# Altium PCB RADC-B00-V00.PcbDoc (part 3 of 3)
Units mil, origin at the board's own origin, x right, y up, seen from the top; angles counter-clockwise.
Board outline 3937.01 x 3937.01 mil, 4 copper layers (Top Layer, Mid-Layer 1, Mid-Layer 2, Bottom Layer); 167 components, 147 nets, 593 pads, 295 vias.
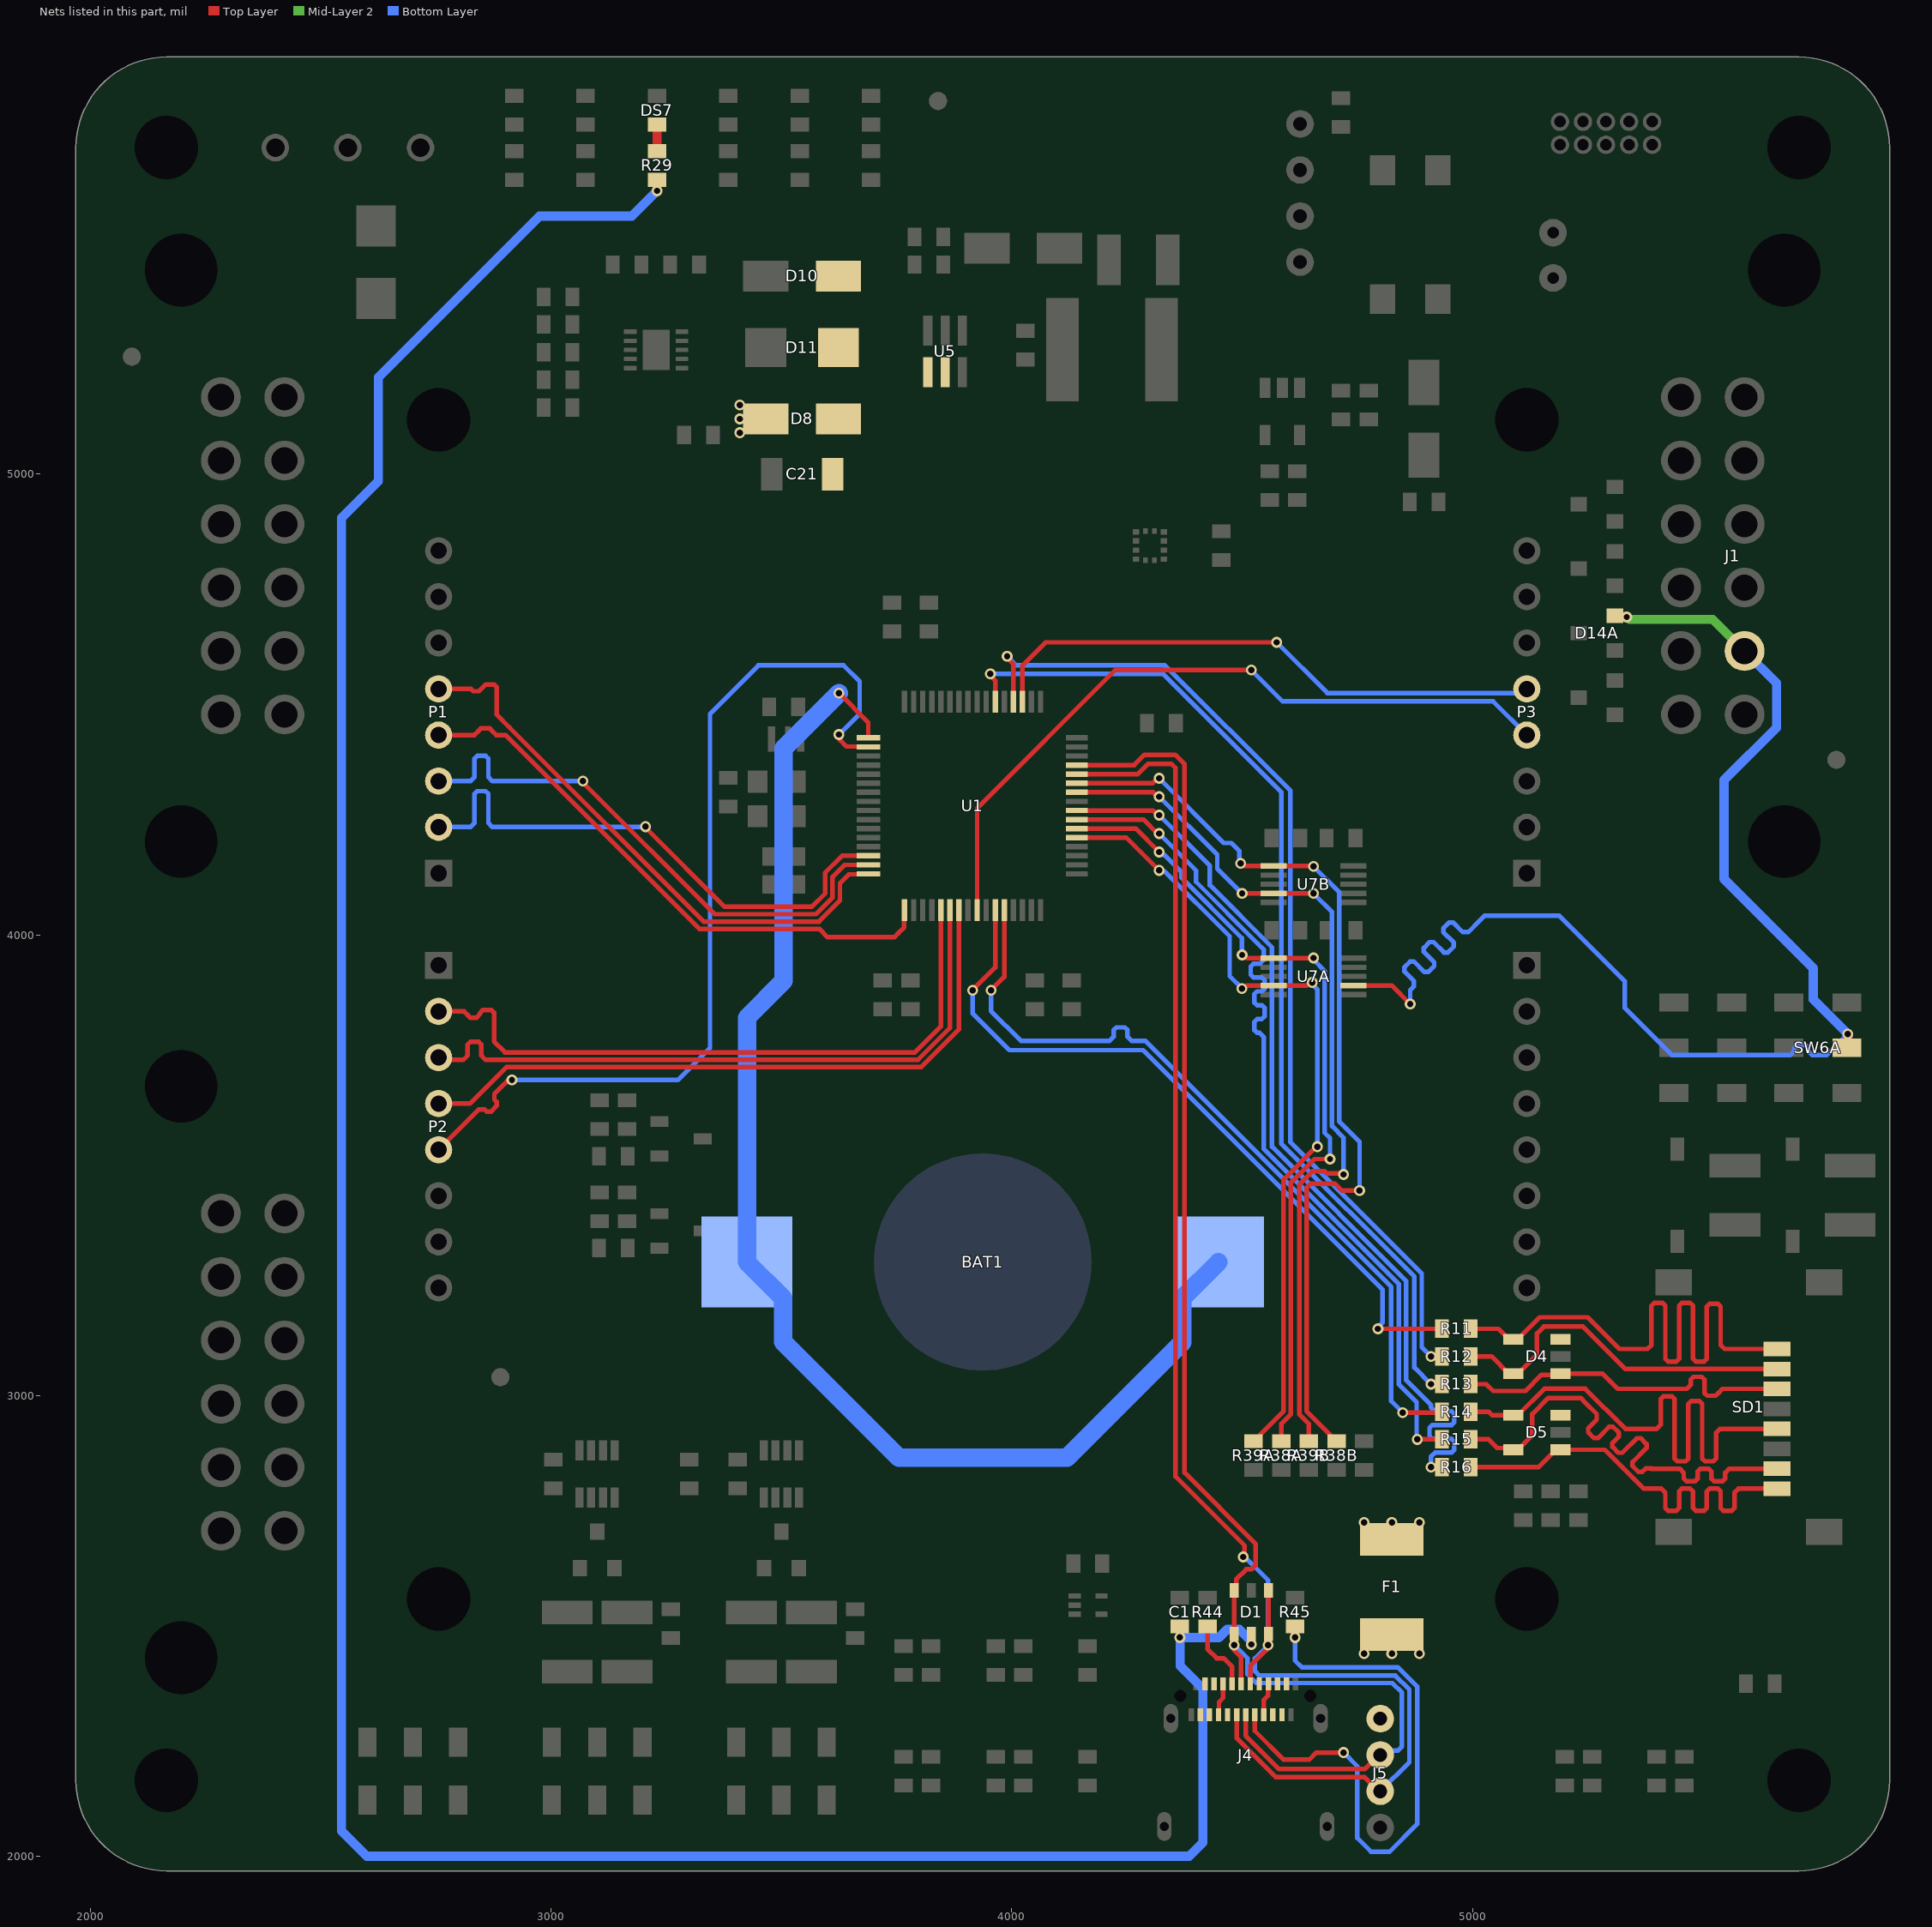
[diagram p5: the nets of this part, all layers, seen from the top]

## Via types
v1: diameter 23.62, hole 13.78, Top Layer to Bottom Layer, tented both sides, 295 vias

## Nets (pads, with @x,y where several pads share a name; then routed paths per layer and width w, separated by ;. In a path a pad name is that pad's centre, name@x,y a point inside that pad or via, vN(x,y) a via of type N, cw(c..) or ccw(c..) an arc to the next point about the centre after c; other vN are vias at no path point) (continued)
"RS485B Z": D14A.2 J1.8 SW6A.5 U7A.7 | length 2972.4
  Top Layer w10: U7A.7@4741.61,3890.32 4824.69,3890.32 v1(4865,3850)
  Top Layer w20: D14A.2@5309.37,4692.4 5311.08,4690.69 5334.31,4690.69 v1(5335,4690) ; SW6A.5@5812.99,3755 5815,3757.01 v1(5815,3785)
  Mid-Layer 2 w20: v1(5335,4690) 5335.98,4690 5340.98,4685 5521.69,4685 J1.8@5590.55,4616.14
  Bottom Layer w10: v1(4865,3850) 4865,3880.25 4869.1,3884.35 4872.63,3887.89 4872.63,3900.31 4852.03,3920.92 4852.03,3929.4 4864.76,3942.13 4873.24,3942.13 4895.82,3919.56 4904.3,3919.56 4917.03,3932.29 4917.03,3940.77 4894.46,3963.34 4894.46,3971.83 4907.18,3984.56 4915.67,3984.56 4938.24,3961.98 4946.73,3961.98 4959.46,3974.71 4959.46,3983.2 4936.88,4005.77 4936.88,4014.26 4949.61,4026.98 4958.1,4026.98 4978.7,4006.38 4991.13,4006.38 5014.87,4030.13 5026.75,4042 5188.25,4042 5330.56,3899.7 5330.56,3841.81 5433.37,3739 5685,3739 5690,3739 5698.79,3747.79 5698.79,3754.87 5704.79,3760.87 5722.79,3760.87 5728.79,3754.87 5728.79,3747.79 5737.57,3739 5769,3739 v1(5815,3785)
  Bottom Layer w20: J1.8@5590.55,4616.14 5660,4546.69 5660,4450 5546.06,4336.06 5546.06,4121.51 5740,3927.57 5740,3860 v1(5815,3785)
RTC: BAT1.1 U1.1 | length 2929.3
  Top Layer w10: v1(3625,4525) 3688.62,4461.38 U1.1@3688.62,4427.64
  Bottom Layer w40: v1(3625,4525) 3505,4405 3505,3900 3425.2,3820.2 BAT1.1@3425.2,3290 3503.62,3211.57 3503.62,3116.38 3755,2865 4120,2865 4370.39,3115.39 4370.39,3211.57 BAT1.1@4448.82,3290
"SD CLK": R14.1 U1.28 | length 1757.9
  Top Layer w10: v1(3955,3880) 3983.9,3908.9 U1.28@3983.9,4053.62 ; v1(4848.68,2963.24) 4932.01,2963.24 R14.1@4933.76,2965
  Bottom Layer w10: v1(3955,3880) 3955,3835 4020,3770 4165,3770 4212.43,3770 4221.21,3778.79 4221.21,3793.35 4227.21,3799.35 4245.21,3799.35 4251.21,3793.35 4251.21,3778.79 4260,3770 4290,3770 4295,3765 4823.81,3236.19 4823.81,2988.11 v1(4848.68,2963.24)
"SD CLK P": D5.4 R14.2 SD1.5 | length 1233.5
  Top Layer w10: R14.2@4996.24,2965 5035,2965 5042.6,2957.4 5098.66,2957.4 5156.26,3015 5245,3015 5332.05,2927.95 5395,2927.95 5400,2927.95 5408.79,2936.74 5408.79,2992.57 5414.79,2998.57 5432.79,2998.57 5438.79,2992.57 5438.79,2863.34 5444.79,2857.34 5462.79,2857.34 5468.79,2863.34 5468.79,2982.16 5474.79,2988.16 5492.79,2988.16 5498.79,2982.16 5498.79,2863.34 5504.79,2857.34 5522.79,2857.34 5528.79,2863.34 5528.79,2919.17 5537.57,2927.95 5565,2927.95 SD1.5@5661.02,2927.95
"SD CMD": R13.1 U1.54 | length 2245.3
  Top Layer w10: v1(3953.61,4566.36) 3953.61,4562.67 3964.21,4552.07 U1.54@3964.21,4506.38 ; v1(4910,3025) R13.1@4933.76,3025
  Bottom Layer w10: v1(3953.61,4566.36) 4328.64,4566.36 4585,4310 4585,3547.37 4874,3258.37 4874,3061 v1(4910,3025)
"SD CMD P": D4.1 R13.2 SD1.3 | length 757.8
  Top Layer w10: R13.2@4996.24,3025 5030,3025 5045,3010 5115,3010 5149.98,3044.98 5178.72,3044.98 5181.34,3047.6 5282.4,3047.6 5315.43,3014.57 5460,3014.57 5465,3014.57 5473.79,3023.35 5473.79,3034.71 5479.79,3040.71 5497.79,3040.71 5503.79,3034.71 5503.79,3005.78 5509.79,2999.78 5527.79,2999.78 5533.79,3005.78 5542.57,3014.57 5550,3014.57 SD1.3@5661.02,3014.57
"SD DAT0": R15.1 U1.39 | length 1891.8
  Top Layer w10: U1.39@4141.38,4250.47 4285.84,4250.47 4316.31,4220 v1(4320,4220) ; v1(4880,2905) R15.1@4933.76,2905
  Bottom Layer w10: v1(4320,4220) 4400,4140 4400,4115.25 4534.1,3981.15 4546.81,3968.44 4546.81,3946.15 4538.02,3937.36 4524.79,3937.36 4518.79,3931.36 4518.79,3913.36 4524.79,3907.36 4543,3907.36 4549,3901.36 4549,3883.36 4543,3877.36 4532.55,3877.36 4526.55,3871.36 4526.55,3853.36 4532.55,3847.36 4543,3847.36 4549,3841.36 4549,3823.36 4543,3817.36 4532.81,3817.36 4526.81,3811.36 4526.81,3793.36 4532.81,3787.36 4538.02,3787.36 4546.81,3778.58 4546.81,3540.25 4546.81,3535.82 4840,3242.63 4840,3025 4878.97,2986.03 4878.97,2906.03 v1(4880,2905)
"SD DAT0 P": D5.5 R15.2 SD1.7 | length 1100.2
  Top Layer w10: R15.2@4996.24,2905 5035,2905 5053.7,2886.3 5094.96,2886.3 5098.66,2882.6 5130,2913.94 5130,2960 5165,2995 5235,2995 5245,2985 5269.75,2960.25 5269.75,2947.82 5251.05,2929.13 5251.05,2920.64 5263.78,2907.92 5272.27,2907.92 5296.62,2932.27 5305.1,2932.27 5317.83,2919.54 5317.83,2911.06 5303.94,2897.17 5303.94,2888.68 5316.67,2875.95 5325.16,2875.95 5356.91,2907.71 5365.4,2907.71 5378.13,2894.98 5378.13,2886.5 5347.45,2855.82 5347.45,2847.34 5360.18,2834.61 5368.67,2834.61 5375.82,2841.76 5388.24,2841.76 5388.66,2841.34 5412.61,2841.34 5415,2841.34 5450,2841.34 5458.79,2832.55 5458.79,2820.03 5464.79,2814.03 5482.79,2814.03 5488.79,2820.03 5488.79,2835.34 5494.79,2841.34 5512.79,2841.34 5518.79,2835.34 5518.79,2820.03 5524.79,2814.03 5542.79,2814.03 5548.79,2820.03 5548.79,2832.55 5557.57,2841.34 5580,2841.34 SD1.7@5661.02,2841.34
"SD DAT1": R16.1 U1.40 | length 2042.7
  Top Layer w10: U1.40@4141.38,4270.16 4141.46,4270.08 4306.24,4270.08 4316.31,4260 v1(4320,4260) ; v1(4910,2845) R16.1@4933.76,2845
  Bottom Layer w10: v1(4320,4260) 4430,4150 4430,4107.88 4565,3972.88 4565,3540.25 4856,3249.25 4856,3034 4910,2980 4910,2975 4918.79,2966.21 4954.42,2966.21 4960.42,2960.21 4960.42,2942.21 4954.42,2936.21 4912.81,2936.21 4906.81,2930.21 4906.81,2912.21 4912.81,2906.21 4954.42,2906.21 4960.42,2900.21 4960.42,2882.21 4954.42,2876.21 4918.79,2876.21 4910,2867.43 4910,2846.43 v1(4910,2845)
"SD DAT1 P": D5.1 R16.2 SD1.8 | length 956.9
  Top Layer w10: R16.2@4996.24,2845 5143.74,2845 5181.34,2882.6 D5.1@5191.18,2882.6 5287.4,2882.6 5371.97,2798.03 5375,2798.03 5410,2798.03 5418.79,2789.24 5418.79,2756.21 5424.79,2750.21 5442.79,2750.21 5448.79,2756.21 5448.79,2792.03 5454.79,2798.03 5472.79,2798.03 5478.79,2792.03 5478.79,2756.21 5484.79,2750.21 5502.79,2750.21 5508.79,2756.21 5508.79,2792.03 5514.79,2798.03 5532.79,2798.03 5538.79,2792.03 5538.79,2756.21 5544.79,2750.21 5562.79,2750.21 5568.79,2756.21 5568.79,2789.24 5577.57,2798.03 5585,2798.03 SD1.8@5661.02,2798.03
"SD DAT2": R11.1 U1.27 | length 1610.4
  Top Layer w10: v1(3915,3880) 3964.21,3929.21 U1.27@3964.21,4053.62 ; v1(4795,3145) R11.1@4933.76,3145
  Bottom Layer w10: v1(3915,3880) 3915,3830 3995,3750 4285,3750 4805,3230 4805,3158.69 4795,3148.69 v1(4795,3145)
"SD DAT2 P": D4.4 R11.2 SD1.1 | length 1382.2
  Top Layer w10: R11.2@4996.24,3145 5056.38,3145 5078.98,3122.4 D4.4@5088.82,3122.4 5098.66,3122.4 5146.26,3170 5250,3170 5318.82,3101.18 5375,3101.18 5380,3101.18 5388.79,3109.97 5388.79,3195.18 5394.79,3201.18 5412.79,3201.18 5418.79,3195.18 5418.79,3079.87 5424.79,3073.87 5442.79,3073.87 5448.79,3079.87 5448.79,3195.18 5454.79,3201.18 5472.79,3201.18 5478.79,3195.18 5478.79,3079.87 5484.79,3073.87 5502.79,3073.87 5508.79,3079.87 5508.79,3193.21 5514.79,3199.21 5532.79,3199.21 5538.79,3193.21 5538.79,3109.97 5547.57,3101.18 5565,3101.18 SD1.1@5661.02,3101.18
"SD DAT3": R12.1 U1.52 | length 2194.3
  Top Layer w10: v1(3990,4605) 3990,4601.31 4003.58,4587.73 U1.52@4003.58,4506.38
  Bottom Layer w10: v1(3990,4605) 4010,4585 4332.63,4585 4605,4312.63 4605,3550 4890,3265 4890,3105 v1(4910,3085)
"SD DAT3 P": D4.5 R12.2 SD1.2 | length 787.8
  Top Layer w10: R12.2@4996.24,3085 5041.57,3085 5078.98,3047.6 5098.66,3047.6 5140,3088.94 5140,3135 5155,3150 5240,3150 5332.13,3057.87 SD1.2@5661.02,3057.87
"SD SPARE A": D4.3
"SD SPARE B": D5.3
"SPI1 MISO": P2.3 U1.22 | length 1456.4
  Top Layer w10: P2.3@2755.91,3733.86 2760.76,3729 2805,3729 2810,3729 2818.79,3737.79 2818.79,3761.87 2824.79,3767.87 2842.79,3767.87 2848.79,3761.87 2848.79,3737.79 2857.57,3729 3065,3729 3796.63,3729 3865.79,3798.16 U1.22@3865.79,4053.62
"SPI1 MOSI": P2.4 U1.23 | length 1454.8
  Top Layer w10: P2.4@2755.91,3633.86 2823.86,3633.86 2903,3713 3803.25,3713 3885.47,3795.22 U1.23@3885.47,4053.62
"SPI1 SCK": P2.2 U1.21 | length 1454.8
  Top Layer w10: P2.2@2755.91,3833.86 2811.14,3833.86 2820,3825 2825,3820 2837.43,3820 2846.21,3828.79 2846.21,3831.11 2852.21,3837.11 2870.21,3837.11 2876.21,3831.11 2876.21,3768.79 2900,3745 3030,3745 3790,3745 3846.1,3801.1 U1.21@3846.1,4053.62
"SPI CS": P2.5 U1.2 | length 2029.3
  Top Layer w10: P2.5@2755.91,3533.86 2818.52,3596.48 2843.27,3621.23 2855.7,3621.23 2860.66,3616.27 2869.14,3616.27 2881.87,3629 2881.87,3637.48 2876.91,3642.44 2876.91,3654.86 2893.52,3671.48 2904.44,3682.39 2912.39,3682.39 v1(2915,3685) ; v1(3625,4435) 3627.61,4432.39 3627.61,4422.39 3641.14,4408.86 3687.72,4408.86 U1.2@3688.62,4407.95
  Bottom Layer w10: v1(2915,3685) 3275,3685 3345,3755 3345,4480 3450,4585 3635,4585 3670,4550 3670,4480 v1(3625,4435)
"USART1 RX": R38B.1 U1.43 U7B.1 | length 2051.5
  Top Layer w10: U1.43@4141.38,4329.21 4305.53,4329.21 4316.31,4340 v1(4320,4340) ; v1(4496.81,4155.31) 4498.37,4155.31 4504.32,4149.37 4647.49,4149.37 v1@4648.17,4148.69 ; R38B.1@4705,2901.24 4640,2966.24 4640,3451.21 4648.79,3460 4702.08,3460 4717.08,3445 v1(4755,3445)
  Bottom Layer w10: v1(4320,4340) 4460.44,4199.56 4476.75,4199.56 4494.2,4182.11 4494.2,4157.92 v1(4496.81,4155.31) ; v1(4655,4148.69) 4711.19,4092.5 4711.19,3594.81 4755,3551 v1(4755,3445)
"USART1 TX": R39B.1 U1.42 U7B.4 | length 1925.4
  Top Layer w10: U1.42@4141.38,4309.53 4306.79,4309.53 4316.31,4300 v1(4320,4300) ; v1(4500,4090) 4500.16,4090.16 4568.23,4090.16 U7B.4@4568.39,4090.32 4568.7,4090 v1@4645,4090 ; R39B.1@4645,2901.24 4645,2938.61 4624,2959.61 4624,3457.84 4652.97,3486.81 4679.5,3486.81 4683.71,3482.61 4717.39,3482.61 v1(4720,3480)
  Bottom Layer w10: v1(4320,4300) 4446,4174 4446,4144 v1(4500,4090) ; v1(4655,4090) 4695.19,4049.81 4695.19,3584.81 4720,3560 v1(4720,3480)
"USART2 CTS": P1.2 U1.14 | length 1217.1
  Top Layer w10: v1(3205,4235) 3205,4232.92 3376.92,4061 3566,4061 3595,4090 3595,4135 3631.73,4171.73 U1.14@3688.62,4171.73
  Bottom Layer w10: P1.2@2755.91,4233.86 2756.33,4234.29 2820,4234.29 2825,4234.29 2833.79,4243.07 2833.79,4306.16 2839.79,4312.16 2857.79,4312.16 2863.79,4306.16 2863.79,4243.07 2872.57,4234.29 2995,4234.29 3204.29,4234.29 v1(3205,4235)
"USART2 RTS": P1.3 U1.15 | length 1217
  Top Layer w10: v1(3068.86,4333.86) 3068.86,4331.14 3355,4045 3575,4045 3611,4081 3611,4126 3637.05,4152.05 U1.15@3688.62,4152.05
  Bottom Layer w10: P1.3@2755.91,4333.86 2820,4333.86 2825,4333.86 2833.79,4342.65 2833.79,4382.67 2839.79,4388.67 2857.79,4388.67 2863.79,4382.67 2863.79,4342.65 2872.57,4333.86 2940,4333.86 v1(3068.86,4333.86)
"USART2 RX": P1.4 U1.17 | length 1251.1
  Top Layer w10: P1.4@2755.91,4433.86 2828.52,4433.86 2833.52,4433.86 2842.31,4442.65 2848.31,4448.65 2866.31,4448.65 2872.31,4442.65 2881.1,4433.86 2901.14,4433.86 2925,4410 3322,4013 3582,4013 3600,3995 3745.21,3995 3754,4003.79 3754,4004 3766.46,4016.46 3766.46,4052.72 U1.17@3767.36,4053.62
"USART2 TX": P1.5 U1.16 | length 1254.1
  Top Layer w10: P1.5@2755.91,4533.86 2826.14,4533.86 2831.14,4528.86 2843.57,4528.86 2858.36,4543.64 2876.36,4543.64 2882.36,4537.64 2882.36,4477.64 2910,4450 3331,4029 3581.63,4029 3627,4074.37 3627,4112 3646.46,4131.46 3687.72,4131.46 U1.16@3688.62,4132.36
"USART3 RX": P3.4 U1.25 | length 1597.3
  Top Layer w10: U1.25@3924.84,4053.62 3924.92,4053.7 3924.92,4274.92 4225,4575 v1(4520,4575)
  Bottom Layer w10: v1(4520,4575) 4588,4507 5044.97,4507 P3.4@5118.11,4433.86
"USART3 TX": P3.5 U1.51 | length 1243.2
  Top Layer w10: U1.51@4023.27,4506.38 4023.27,4584.58 4073.69,4635 v1(4575,4635)
  Bottom Layer w10: v1(4575,4635) 4685,4525 5109.25,4525 P3.5@5118.11,4533.86
"USART6 RX": R38A.1 U1.38 U7A.1 | length 1776.2
  Top Layer w10: U1.38@4141.38,4230.79 4269.21,4230.79 v1(4320,4180) ; v1(4500,3956.5) 4503.69,3956.5 4510.81,3949.37 U7A.1@4568.39,3949.37 4568.7,3949.68 4644.69,3949.68 v1@4645,3950 ; R38A.1@4585,2901.24 4585,2938.61 4606,2959.61 4606,3462.47 4657.15,3513.62 v1(4690.95,3513.62)
  Bottom Layer w10: v1(4320,4180) 4323.69,4180 4330.5,4173.19 4331.81,4173.19 4368,4137 4368,4124.63 4499.32,3993.31 4499.32,3957.18 v1(4500,3956.5) ; v1(4655,3950) 4655,3946.32 4679.19,3922.13 4679.19,3570.81 4690.95,3559.05 v1(4690.95,3513.62)
"USART6 TX": R39A.1 U1.37 U7A.4 | length 1753.1
  Top Layer w10: U1.37@4141.38,4211.1 4248.9,4211.1 v1(4320,4140) ; v1(4499.74,3883.71) 4503.43,3883.71 4510.03,3890.32 U7A.4@4568.39,3890.32 4640.31,3890.32 v1@4645,3895 ; R39A.1@4525,2901.24 4590,2966.24 4590,3469.1 4661.34,3540.43 v1(4663.19,3540.43)
  Bottom Layer w10: v1(4320,4140) 4322.61,4137.39 4332.61,4137.39 4472.99,3997.01 4472.99,3910.46 v1(4499.74,3883.71) ; v1(4652.19,3896.81) 4652.19,3893.12 4663.19,3882.12 v1(4663.19,3540.43)
"USB CC1": J4.A5 R44.2 | length 155.2
  Top Layer w10: R44.2@4425,2498.76 4425,2450 4445,2430 4460,2430 4478.35,2411.65 J4.A5@4478.35,2374.45
"USB CC2": J4.B5 R45.2 | length 1285.6
  Top Layer w10: J4.B5@4527.56,2307.52 4527.56,2272.44 4590,2210 4645.71,2210 4661.01,2225.29 v1(4720.4,2225.29)
  Top Layer w20: v1(4615,2475) R45.2@4615,2498.76
  Bottom Layer w10: v1(4615,2475) 4615,2425 4630,2410 4838.54,2410 4880,2368.54 4880,2070 4820,2010 4780,2010 4750,2040 4750,2195.7 v1(4720.4,2225.29)
"USB D_N": D1.1 D1.6 J4.A7 J4.B7 J5.3 U1.44 | length 3504.2
  Top Layer w10: U1.44@4141.38,4348.9 4273.9,4348.9 4296.31,4371.31 4346.53,4371.31 4355.31,4362.53 4355.31,2824.69 4505.22,2674.78 4505.22,2662.36 4504.89,2662.03 4504.89,2652.4 v1(4502.29,2649.8) ; J4.B7@4488.19,2307.52 4488.19,2256.81 4573.21,2171.79 4766.21,2171.79 4796.74,2141.26 J5.3@4800,2141.26 ; J4.A7@4517.72,2374.45 4518.03,2374.76 4518.03,2413.03 4552.56,2447.56 ; v1@4552.56,2458.8 4552.56,2477.91 D1.6@4557.4,2482.76 D1.1@4557.4,2577.24
  Bottom Layer w10: v1(4502.29,2649.8) 4505.77,2649.8 4556.4,2599.17 v1(4556.4,2458.8) 4556.4,2458.48 4527.68,2429.76 4527.68,2401.87 4537.28,2392.28 4832.72,2392.28 4863,2362 4863,2204.26 J5.3@4800,2141.26
"USB D_P": D1.3 D1.4 J4.A6 J4.B6 J5.2 U1.45 | length 3311.4
  Top Layer w10: U1.45@4141.38,4368.58 4265.74,4368.58 4288.16,4391 4354.68,4391 4375,4370.68 4375,2832.84 4529.1,2678.74 4529.1,2631.77 4520.31,2622.98 4509.13,2622.98 4487.44,2601.3 4487.44,2582.09 D1.3@4482.6,2577.24 D1.4@4482.6,2482.76 v1@4482.6,2458.8 ; v1@4482.6,2447.4 4498.03,2431.97 J4.A6@4498.03,2374.45 ; J4.B6@4507.87,2307.52 4507.87,2262.13 4580.53,2189.47 4766.21,2189.47 4796.74,2220 J5.2@4800,2220
  Bottom Layer w10: v1(4482.77,2458.8) 4511.68,2429.9 4511.68,2395.25 4530.65,2376.28 4826.1,2376.28 4847,2355.37 4847,2238.36 4838.21,2229.57 4809.57,2229.57 J5.2@4800,2220
"USB RX1_N": J4.B10
"USB RX1_P": J4.B11
"USB RX2_N": J4.A10
"USB RX2_P": J4.A11
"USB SBU1": J4.A8
"USB SBU2": J4.B8
"USB TX1_N": J4.A3
"USB TX1_P": J4.A2
"USB TX2_N": J4.B3
"USB TX2_P": J4.B2
VCC: C21.2 D8.K D10.K D11.A U5.4 U5.5
VUSB: C1.2 D1.5 F1.1 J4.A4 J4.A9 J4.B4 J4.B9 J5.1 R29.2 | length 6700
  Top Layer w10: v1(3230,5615) R29.2@3230,5638.76 ; J4.B9@4448.82,2307.52 4449.72,2308.43 4449.72,2334.72 4458.66,2343.66 J4.A4@4458.66,2374.45 ; v1(4520,2460) D1.5@4520,2482.76 ; J4.B4@4547.24,2307.52 4547.24,2339.77 4556.18,2348.71 4556.18,2373.54 J4.A9@4557.09,2374.45
  Bottom Layer w20: v1(3230,5615) 3175,5560 2975,5560 2625,5210 2625,4985 2545,4905 2545,2055 2600,2000 4385,2000 4415,2030 4415,2364.02 4365.69,2413.33 4365.69,2474.31 v1(4365,2475) 4450,2475 4467.57,2492.57 4493.99,2492.57 4519.31,2467.26 4519.31,2460.69 v1(4520,2460)
  other v1: 4765,2440 4825,2440 4885,2440
"VUSB LED": DS7.1 R29.1 | length 57.5
  Top Layer w20: R29.1@3230,5701.24 DS7.1@3230,5758.76
VUSBF: D8.A F1.2
  other v1: 4765,2725 4825,2725 4885,2725 3410,5090 3410,5120 3410,5150
pads on no net: FID1.1 FID2.1 FID3.1 FID4.1 J1.NC J2.NC J3.NC J4. M1.1 M2.1 M3.1 M4.1 M5.1 M6.1 M7.1 M8.1 SW6A.1 SW6A.4 SW6B.1 SW6B.4 U9.1 U10.4 U10.5 U10.6 U10.11

## Polygon pours and split planes (outlines as drawn)
no net on Top Overlay "NONET_L01_P-001" (solid): 2500,2030 2455,2075 2455,1985
no net on Top Overlay "NONET_L01_P-001" (solid): 5350,3980 5385,4015 5350,4050
no net on Top Overlay "NONET_L01_P-001" (solid): 5275,3905 5350,3980 5200,3980
no net on Top Overlay "NONET_L01_P-001" (solid): 2657.72,5775 2775.6,5775 2775.6,5708.66 2761.55,5708.66 2757.46,5725.41 2745.91,5742.48 2731.98,5750.04 2716.86,5752.56 2691.53,5747.38 2682.36,5738.22 2676.06,5726.39 2671,5708.66 2658.34,5708.66
no net on Top Overlay "NONET_L01_P-001" (solid): 2500.23,5775 2618.11,5775 2618.11,5708.66 2604.06,5708.66 2599.97,5725.41 2588.42,5742.48 2574.49,5750.04 2559.37,5752.56 2534.04,5747.38 2524.87,5738.22 2518.57,5726.39 2513.51,5708.66 2500.85,5708.66
no net on Top Overlay "NONET_L01_P-001" (solid): 2342.76,5775 2460.64,5775 2460.64,5708.66 2446.59,5708.66 2442.5,5725.41 2430.95,5742.48 2417.02,5750.04 2401.9,5752.56 2376.57,5747.38 2367.4,5738.22 2361.1,5726.39 2356.04,5708.66 2343.38,5708.66
GND on Top Layer "NONET_L01_P-001" (solid, remove dead copper, pour order 26): 5708.66,2007.87 5866.14,2165.35 5866.14,5708.66 5708.66,5866.14 2165.35,5866.14 2007.87,5708.66 2007.87,2165.35 2165.35,2007.87
12V on Top Layer "NONET_L01_P-001" (solid, pour order 23): 5385,5100 5660,5100 5660,5235 5385,5235
GND on Top Layer "NONET_L01_P-001" (solid, pour order 21): 3703.66,3290 ccw(c3937.01,3290) 3937.01,3056.65 ccw(c3937.01,3290) 4170.36,3290 ccw(c3937.01,3290) 3937.01,3523.35 ccw(c3937.01,3290)
12V on Top Layer "NONET_L01_P-001" (solid, pour order 17): 2340,5775 2460,5775 2460,5690 2510,5640 2670,5640 2700,5610 2700,5470 2695,5465 2345,5465 2260,5550 2260,5585 2340,5665
12V on Top Layer "NONET_L01_P-001" (solid, pour order 16): 3190,5320 3190,5300 3120,5300 3080,5340 3080,5410 3020,5470 2565,5470 2565,5610 3035,5610 3155,5490 3155,5395 3145,5385 3145,5325 3150,5320
GND on Top Layer "NONET_L01_P-001" (solid, pour order 15): 3405,5325 3515,5325 3515,5225 3405,5225
GND on Top Layer "NONET_L01_P-001" (solid, pour order 14): 3510,5045 3510,4955 3425,4955 3425,5045
3V3 on Top Layer "NONET_L01_P-001" (solid, pour order 13): 4305,5530 4285,5510 4285,5150 4395,5150 4395,5530
GND on Top Layer "NONET_L01_P-001" (solid, pour order 12): 4180,5525 4270,5525 4270,5405 4180,5405
"PWR SW 3V3" on Top Layer "NONET_L01_P-001" (solid, pour order 11): 4045,5550 4165,5550 4165,5170 4150,5155 4065,5155 4065,5395 4045,5415
GND on Top Layer "NONET_L01_P-001" (solid, pour order 10): 4005,5550 4005,5430 3945,5430 3870,5355 3870,5275 3840,5275 3840,5420 3830,5430 3830,5480 3875,5480 3890,5495 3890,5550
"PWR SW 3V3" on Top Layer "NONET_L01_P-001" (solid, pour order 9): 3880,5260 3985,5260 4000,5275 4070,5275 4070,5385 4150,5385 4150,5155 3880,5155
12VP on Top Layer "NONET_L01_P-001" (solid, pour order 8): 3520,5480 3520,5380 3445,5380 3365,5300 3265,5300 3265,5320 3305,5320 3305,5385 3295,5395 3295,5480
GND on Top Layer "NONET_L01_P-001" (solid, pour order 7): 3160,5165 3295,5165 3295,5375 3275,5395 3275,5505 3180,5505 3180,5395 3160,5375
VCC on Top Layer "NONET_L01_P-001" (solid, pour order 6): 3570,5470 3565,5465 3565,4955 3690,4955 3695,4960 3695,5095 3755,5155 3870,5155 3870,5260 3755,5260 3695,5320 3695,5470
VUSB on Top Layer "NONET_L01_P-001" (solid, pour order 5): 4310,1985 4910,1985 4910,2530 4310,2530
12V on Top Layer "NONET_L01_P-001" (solid, pour order 2): 2520,5585 2185,5585 2185,2610 2520,2610
GND on Bottom Layer "NONET_L01_P-001" (solid, remove dead copper, pour order 25): 5708.66,2007.87 5866.14,2165.35 5866.14,5708.66 5708.66,5866.14 2165.35,5866.14 2007.87,5708.66 2007.87,2165.35 2165.35,2007.87
12V on Bottom Layer "NONET_L01_P-001" (solid, pour order 24): 5385,5100 5660,5100 5660,5235 5385,5235
VUSBF on Bottom Layer "NONET_L01_P-001" (solid, pour order 20): 4910,2755 4910,2675 4335,2675 4335,2380 4300,2345 4300,2025 4220,2025 4220,2400 4255,2435 4255,2755
VUSBF on Bottom Layer "NONET_L01_P-001" (solid, pour order 18): 3450,5180 3450,5060 3410,5060 3250,4900 2700,4900 2645,4845 2645,2115 2665,2095 4300,2095 4300,2020 2605,2020 2570,2055 2570,4895 2675,5000 3225,5000 3370,5145 3370,5180
GND on Bottom Layer "NONET_L01_P-001" (solid, pour order 1): 2520,4990 2185,4990 2185,2610 2520,2610
3V3 on Mid-Layer 1 "NONET_L01_P-001" (solid, pour order 3): 5708.66,2007.87 5866.14,2165.35 5866.14,5708.66 5708.66,5866.14 2165.35,5866.14 2007.87,5708.66 2007.87,2165.35 2165.35,2007.87
no net on Bottom Overlay "NONET_L01_P-001" (solid): 4367.44,4175.59 3242.44,4175.59 3242.44,4375.59 4367.44,4375.59
no net on Bottom Overlay "NONET_L01_P-001" (solid): 2658.05,5774.81 2775.93,5774.81 2775.93,5708.47 2761.88,5708.47 2757.79,5725.22 2746.24,5742.3 2732.31,5749.86 2717.2,5752.38 2691.86,5747.2 2682.69,5738.03 2676.39,5726.2 2671.33,5708.47 2658.67,5708.47
no net on Bottom Overlay "NONET_L01_P-001" (solid): 2343.09,5774.81 2460.97,5774.81 2460.97,5708.47 2446.92,5708.47 2442.83,5725.22 2431.28,5742.3 2417.35,5749.86 2402.24,5752.38 2376.9,5747.2 2367.73,5738.03 2361.43,5726.2 2356.37,5708.47 2343.71,5708.47
no net on Bottom Overlay "NONET_L01_P-001" (solid): 2500.56,5774.81 2618.44,5774.81 2618.44,5708.47 2604.39,5708.47 2600.3,5725.22 2588.75,5742.3 2574.82,5749.86 2559.71,5752.38 2534.37,5747.2 2525.2,5738.03 2518.9,5726.2 2513.84,5708.47 2501.18,5708.47
no net on Bottom Overlay "NONET_L01_P-001" (hatched 45Degree grid 39.37 track 7.87): 5175,5271.41 cw(c5175,5471.85) 4974.57,5471.85 cw(c5175,5471.85) 5175,5672.28 cw(c5175,5471.85) 5375.43,5471.85 cw(c5175,5471.85)
GND on Mid-Layer 2 "NONET_L01_P-001" (solid, pour order 4): 5708.66,2007.87 5866.14,2165.35 5866.14,5708.66 5708.66,5866.14 2165.35,5866.14 2007.87,5708.66 2007.87,2165.35 2165.35,2007.87

## Other copper
Top Layer:
  pour cut-out: 4269.49,4874.53 4330.51,4874.53 4330.51,4815.47 4269.49,4815.47
Mid-Layer 1:
  pour cut-out: 4060,5400 4375,5400 4375,5140 4060,5140
Mid-Layer 2:
  pour cut-out: 4060,5400 4375,5400 4375,5140 4060,5140
Bottom Layer:
  pour cut-out: 3510,3380 3515,3375 3515,3115 3520,3115 3760,2875 4120,2875 4370,3125 4370,3620 4275,3715 3545,3715
  pour cut-out: 4060,5400 4375,5400 4375,5140 4060,5140

## Silkscreen, mask and mechanical layers (free items; w line width, h text height)
Top Overlay:
  lines w7.87: 3835,3185 3860,3185 3860,3310 ; 3882.36,3290.28 ccw(c3860,3335) 3882.36,3379.72 ; 3885,3185 3885,3210 ; 3885,3197.5 4285,3197.5 ; 3893.54,3267.92 ccw(c3860,3335) 3893.54,3402.08 ; 4276.46,3267.92 cw(c4310,3335) 4276.46,3402.08 ; 4285,3185 4285,3210 ; 4287.64,3290.28 cw(c4310,3335) 4287.64,3379.72 ; 4335,3185 4310,3185 4310,3310 ; 5371.05,2655.98 cw(c5332.5,2620) 5385.24,2620 ; 5382.5,2670 5332.5,2620 5417.5,2620 ; 5475,2620 5460,2635 ; 5475,2650 5460,2635 ; 5565,2635 5460,2635 ; 5775,2635 5880,2635 ; 5865,2620 5880,2635 ; 5865,2650 5880,2635 ; 3860,3310 3835,3335 3885,3335 3860,3310 ; 4310,3310 4285,3335 4335,3335 4310,3310
  lines w10: 2929.96,5314.96 2755.91,5314.96 ccw(c2755.91,5118.11) 2559.06,5118.11 2559.06,2559.06 ccw(c2755.91,2559.06) 2755.91,2362.2 4300,2362.2 ; 3770,5715 3760,5725 ; 3770,5735 3760,5725 ; 3905,5725 3760,5725 ; 4400,5314.96 5118.11,5314.96 cw(c5118.11,5118.11) 5314.96,5118.11 5314.96,5025.04 ; 4835,3060 4835,2905 4880,2860 ; 4945,2362.2 5118.11,2362.2 ccw(c5118.11,2559.06) 5314.96,2559.06 ; 5245,3640 5245,3600 5370,3600 ; 5327.5,3437.5 5372.5,3437.5 ; 5335,3870 5335,3910 5370,3910 ; 5355,3585 5370,3600 ; 5355,3615 5370,3600 ; 5355,3895 5370,3910 ; 5355,3925 5370,3910 ; 5357.5,3422.5 5372.5,3437.5 ; 5357.5,3452.5 5372.5,3437.5 ; 5485,3965 5500,3950 ; 5500,3980 5500,3950 ; 5515,3965 5500,3950 ; 5735,3965 5750,3950 ; 5750,3980 5750,3950 ; 5765,3965 5750,3950 ; 3075.55,5117.28 3380.51,5117.28 3380.51,5422.24 3075.55,5422.24 3075.55,5117.28 ; 3695.55,5118.58 3695.55,5423.54 4000.51,5423.54 4000.51,5118.58 3695.55,5118.58
  lines w19.68: 2342.52,5775 2342.52,5708.66 ccw(c2401.57,5708.66) 2460.63,5708.66 2460.63,5775 ; 2500,5775 2500,5708.66 ccw(c2559.06,5708.66) 2618.11,5708.66 2618.11,5775 ; 2657.48,5775 2657.48,5708.66 ccw(c2716.54,5708.66) 2775.59,5708.66 2775.59,5775
  text "RST" at 5027.5,5847.82 h150 r180
  text "12V" at 2470.47,5846.46 h74.8 r180
  text "GND" at 2627.95,5846.46 h74.8 r180
  text "3V3" at 2785.43,5846.46 h74.8 r180
  text "3V3" at 3345.38,5737.63 h80 r90
  text "12V" at 2880.38,5737.19 h80 r90
  text "USB" at 3190.38,5731.86 h80 r90
  text "FLAG" at 3500.38,5696.78 h80 r90
  text "12VP" at 3035.77,5696.45 h80 r90
  text "UVOV" at 3655.38,5678.99 h80 r90
  text "D14" at 5071,4956 h40
  text "D15" at 5071,4901 h40
  text "GND" at 2834.65,4803.48 h80
  text "GND" at 4902.99,4803.48 h80
  text "3V3" at 2834.65,4703.48 h80
  text "3V3" at 4902.99,4703.48 h80
  text "DET" at 2834.65,4603.48 h80
  text "BCKP" at 4876.5,4603.48 h80
  text "U1TX" at 2834.65,4503.48 h80
  text "U2TX" at 4880.9,4503.48 h80
  text "U1RX" at 2834.65,4403.48 h80
  text "U2RX" at 4879.75,4403.48 h80
  text "U1RTS" at 2834.65,4303.48 h80
  text "M1" at 4902.99,4303.48 h80
  text "U1CTS" at 2834.65,4203.48 h80
  text "M2" at 4902.99,4203.48 h80
  text "GND" at 2834.65,4103.48 h80
  text "GND" at 4902.99,4103.48 h80
  text "RS485" at 5350,3979.43 h150 r90
  text "A" at 5425,3975.63 h100
  text "B" at 5675,3975.63 h100
  text "GND" at 2834.65,3903.48 h80
  text "GND" at 4902.99,3903.48 h80
  text "SCK" at 2834.65,3803.48 h80
  text "M3" at 4902.99,3803.48 h80
  text "MISO" at 2834.65,3703.48 h80
  text "M4" at 4902.99,3703.48 h80
  text "FULL" at 5284.37,3635 h100 r90
  text "HALF" at 5374.37,3635 h100 r90
  text "MOSI" at 2834.65,3603.48 h80
  text "M5" at 4902.99,3603.48 h80
  text "CS" at 2834.65,3503.48 h80
  text "M6" at 4902.99,3503.48 h80
  text "SDA" at 2834.65,3403.48 h80
  text "M7" at 4902.99,3403.48 h80
  text "TERM" at 5329.37,3320 h100 r90
  text "MIN" at 4013.41,3310 h100
  text "SCL" at 2834.65,3303.48 h80
  text "M8" at 4902.99,3303.48 h80
  text "R40" at 5516,3271 h40
  text "50cm" at 3984.95,3220.83 h100
  text "GND" at 2834.65,3203.48 h80
  text "GND" at 4902.99,3203.48 h80
  text "SLIDE" at 5584.09,2611.34 h80
  text "SD CARD" at 5314.57,2465 h150
  text "DS11" at 5316,2411 h40
  text "DS12" at 5316,2351 h40
  text "MCU" at 5720,2344.62 h80
  text "OFF" at 2544.52,2303.66 h80
  text "ON" at 2755.93,2303.66 h80
  text "OFF" at 2944.52,2303.66 h80
  text "ON" at 3155.93,2303.66 h80
  text "OFF" at 3344.52,2303.66 h80
  text "ON" at 3555.93,2303.66 h80
  text "CAN2" at 3710,2279.62 h80
  text "CAN1" at 3910,2279.62 h80
  text "485A" at 5145,2279.62 h80
  text "485B" at 5345,2279.62 h80
  text "VUSB" at 4940,2263.36 h80
  text "D+" at 4940,2184.62 h80
  text "D-" at 4940,2105.88 h80
  text "FAULT" at 4270.38,2087.73 h80 r90
  text "GND" at 4940,2027.14 h80
  text "RX" at 3795.38,2025 h80 r90
  text "TX" at 3855.38,2025 h80 r90
  text "RX" at 3995.38,2025 h80 r90
  text "TX" at 4055.38,2025 h80 r90
  text "RX" at 5230.38,2025 h80 r90
  text "TX" at 5290.38,2025 h80 r90
  text "RX" at 5430.38,2025 h80 r90
  text "TX" at 5490.38,2025 h80 r90
  text "USB-C" at 4355.37,1999.62 h100
  text "CAN" at 2455,1985 h150 r90
  text "JOIN" at 2525,1985 h100
  text "TERM1" at 2924.24,1985 h100
  text "TERM2" at 3327.73,1985 h100
Bottom Overlay:
  circle w10: c2401.57,5708.66 r45.2
  circle w10: c2559.06,5708.66 r45.21
  circle w10: c2716.87,5708.47 r45.53
  pour cut-out: 5175,5478.15 cw(c5175,5524.21) 5128.94,5524.21 cw(c5175,5524.21) 5175,5570.27 cw(c5175,5524.21) 5221.06,5524.21 cw(c5175,5524.21)
  pour cut-out: 5175,5379.73 cw(c5175,5425.79) 5128.94,5425.79 cw(c5175,5425.79) 5175,5471.85 cw(c5175,5425.79) 5221.06,5425.79 cw(c5175,5425.79)
  lines w10: 3100,3000 3150,3000 3150,3075 3450,3075 3450,3000 3500,3000 ; 3185,3025 3200,3010 3400,3010 3415,3025 ; 5060,5635 5040,5635 5040,5840 5540,5840 5540,5635 5295,5635 ; 3175,3025 3175,3050 3425,3050 3425,3025 3175,3025
  lines w19.68: 2342.85,5774.81 2342.85,5708.47 ccw(c2401.91,5708.47) 2460.96,5708.47 2460.96,5774.81 ; 2500.33,5774.81 2500.33,5708.47 ccw(c2559.39,5708.47) 2618.44,5708.47 2618.44,5774.81 ; 2657.81,5774.81 2657.81,5708.47 ccw(c2716.87,5708.47) 2775.92,5708.47 2775.92,5774.81
  text "12V" at 2333.01,5846.27 h74.8 r180
  text "GND" at 2490.49,5846.27 h74.8 r180
  text "3V3" at 2647.97,5846.27 h74.8 r180
  text "M3" at 2233.55,5828.28 h80
  text "M3" at 5776.85,5828.28 h80
  text "GND" at 4547.87,5729.86 h80
  text "3V3" at 4547.87,5629.86 h80
  text "RS-1" at 5481.36,5570 h80 r90
  text "RS-2" at 5571.36,5565 h80 r90
  text "SCL" at 4547.87,5529.86 h80
  text "CAN2" at 2365.38,5457.17 h80 r90
  text "CAN1" at 2455.38,5456.32 h80 r90
  text "SDA" at 4546.89,5428.88 h80
  text "CAUTION!" at 4805.83,5293.12 h100 r270
  text "SUPERCAP" at 4885.83,5270.05 h100 r270
  text "CANL" at 2676.32,5136.95 h80
  text "12V" at 5365.99,5136.95 h80
  text "M3" at 3024.1,5087.73 h80
  text "M3" at 4986.3,5087.73 h80
  text "CANP" at 2681.98,4999.15 h80
  text "GND" at 5365.99,4999.15 h80
  text "RS485" at 5872.4,4998.97 h150 r90
  text "GND" at 2646.38,4861.36 h80
  text "RS-B" at 5365.99,4861.36 h80
  text "GND" at 2971.38,4803.48 h80
  text "GND" at 5040,4803.48 h80
  text "12V" at 2646.38,4723.56 h80
  text "RS-A" at 5365.99,4723.56 h80
  text "3V3" at 2971.38,4703.48 h80
  text "3V3" at 5040,4703.48 h80
  text "DET" at 2997.87,4603.48 h80
  text "BCKP" at 5040,4603.48 h80
  text "12V" at 2646.38,4585.77 h80
  text "RS-Z" at 5365.99,4585.77 h80
  text "QUTMS-RADC-V00" at 4633.39,4565.44 h200
  text "U1TX" at 2993.47,4503.48 h80
  text "U2TX" at 5040,4503.48 h80
  text "GND" at 2646.38,4447.97 h80
  text "RS-Y" at 5365.99,4447.97 h80
  text "Designed by: Jonn DIllon" at 4619.24,4431.65 h150
  text "U1RX" at 2994.62,4403.48 h80
  text "U2RX" at 5040,4403.48 h80
  text "U1RTS" at 3031.95,4303.48 h80
  text "M1" at 5040,4303.48 h80
  text "S/N:" at 4622.37,4233.22 h150
  text "DASIY CHAIN" at 2001.61,4220.33 h150 r270
  text "U1CTS" at 3033.88,4203.48 h80
  text "M2" at 5040,4203.48 h80
  text "GND" at 2971.38,4103.48 h80
  text "GND" at 5040,4103.48 h80
  text "GND" at 2971.38,3903.48 h80
  text "GND" at 5040,3903.48 h80
  text "SCK" at 2971.38,3803.48 h80
  text "M3" at 5040,3803.48 h80
  text "MISO" at 2990.07,3703.48 h80
  text "M4" at 5040,3703.48 h80
  text "CAN2" at 2365.38,3685.51 h80 r90
  text "CAN1" at 2455.38,3684.66 h80 r90
  text "MOSI" at 2988.14,3603.48 h80
  text "M5" at 5040,3603.48 h80
  text "CS" at 2971.38,3503.48 h80
  text "M6" at 5040,3503.48 h80
  text "SDA" at 2971.38,3403.48 h80
  text "M7" at 5040,3403.48 h80
  text "CANL" at 2676.32,3365.29 h80
  text "SCL" at 2971.38,3303.48 h80
  text "M8" at 5040,3303.48 h80
  text "CANP" at 2681.98,3227.5 h80
  text "GND" at 2971.38,3204.62 h80
  text "GND" at 5040,3204.62 h80
  text "GND" at 2646.38,3089.7 h80
  text "+" at 3312.12,3086.45 h60
  text "-" at 3306.38,2972.31 h60
  text "12V" at 2646.38,2951.91 h80
  text "INSERT CELL" at 3542.78,2890.83 h100
  text "AS INDICATED" at 3571.47,2815.08 h100
  text "12V" at 2646.38,2814.11 h80
  text "RTC" at 4074.51,2735 h150
  text "GND" at 2646.38,2676.32 h80
  text "CR2032" at 4080.97,2650.83 h100
  text "M3" at 3024.1,2528.68 h80
  text "M3" at 4986.3,2528.68 h80
  text "DASIY CHAIN" at 2001.61,2448.68 h150 r270
  text "VUSB" at 5050,2263.36 h80
  text "D+" at 4965.31,2184.62 h80
  text "M3" at 2433.55,2134.98 h80
  text "M3" at 5576.85,2134.98 h80
  text "D-" at 4965.31,2105.88 h80
  text "GND" at 5014.59,2027.14 h80
  text "USB-C" at 4660.37,1999.62 h100
Mechanical 1:
  the board outline again, w10

## Text inside footprints (layer, text, board x,y; h text height)
BAT1: Bottom Overlay "-" at 3957,3545.6 h60; Bottom Overlay "+" at 3445.19,3427.8 h60; Bottom Overlay "+" at 4468.81,3427.8 h60
CS1: Top Overlay "-" at 5138.99,5511.67 h40 r90; Top Overlay "+" at 5135.66,5411.67 h40 r90
J1: Top Overlay "6" at 5472.38,5234.31 h40 r90; Top Overlay "12" at 5610.17,5234.31 h40 r90; Top Overlay "7" at 5610.17,4380.76 h40 r90; Top Overlay "1" at 5472.38,4394.09 h40 r90; Bottom Overlay "6" at 5472.31,5259.72 h40 r90; Bottom Overlay "12" at 5610.17,5297.05 h40 r90; Bottom Overlay "1" at 5472.31,4407.16 h40 r90; Bottom Overlay "7" at 5610.17,4406.77 h40 r90
J2: Top Overlay "6" at 2401.64,2639.7 h40 r270; Top Overlay "12" at 2263.84,2639.7 h40 r270; Top Overlay "7" at 2263.84,3493.26 h40 r270; Top Overlay "1" at 2401.64,3479.93 h40 r270; Bottom Overlay "6" at 2401.7,2614.3 h40 r270; Bottom Overlay "12" at 2263.84,2576.96 h40 r270; Bottom Overlay "1" at 2401.7,3466.86 h40 r270; Bottom Overlay "7" at 2263.84,3467.25 h40 r270
J3: Top Overlay "6" at 2401.64,4411.35 h40 r270; Top Overlay "12" at 2263.84,4411.35 h40 r270; Top Overlay "7" at 2263.84,5264.91 h40 r270; Top Overlay "1" at 2401.64,5251.58 h40 r270; Bottom Overlay "6" at 2401.7,4385.95 h40 r270; Bottom Overlay "12" at 2263.84,4348.61 h40 r270; Bottom Overlay "1" at 2401.7,5238.51 h40 r270; Bottom Overlay "7" at 2263.84,5238.9 h40 r270
J5: Top Overlay "PH x4 TH" at 4899,2027.35 h40 r90; Top Overlay "4" at 4745,2025.63 h40 r270; Top Overlay "1" at 4750,2360.63 h40 r270
LYID1: Top Layer "1" at 2785.91,2775 h60 r90; Mid-Layer 1 "2" at 2785.91,2855 h60 r90; Bottom Layer "4" at 2785.91,3035 h60 r90; Mid-Layer 2 "3" at 2785.91,2945 h60 r90
U1: Top Overlay "1" at 3613.26,4432.64 h30 r270; Top Overlay "16" at 3613.26,4154.86 h30 r270; Top Overlay "17" at 3744.87,3978.26 h30; Top Overlay "32" at 4037.65,3978.26 h30; Top Overlay "33" at 4216.74,4107.37 h30 r90; Top Overlay "48" at 4216.74,4402.65 h30 r90; Top Overlay "64" at 3792.36,4581.74 h30 r180; Top Overlay "49" at 4087.63,4581.74 h30 r180
U8: Top Overlay "SDA" at 4541.24,5480.23 h40 r180; Top Overlay "SCL" at 4541.24,5580.23 h40 r180; Top Overlay "VCC" at 4541.24,5680.23 h40 r180; Top Overlay "GND" at 4541.24,5780.23 h40 r180